# Altium PCB 探测器.PcbDoc (part 4 of 4)
Units mil, origin at the board's own origin, x right, y up, seen from the top; angles counter-clockwise.
Board outline 3560.03 x 3943.03 mil, 2 copper layers (Top Layer, Bottom Layer); 122 components, 44 nets, 450 pads, 26 vias.
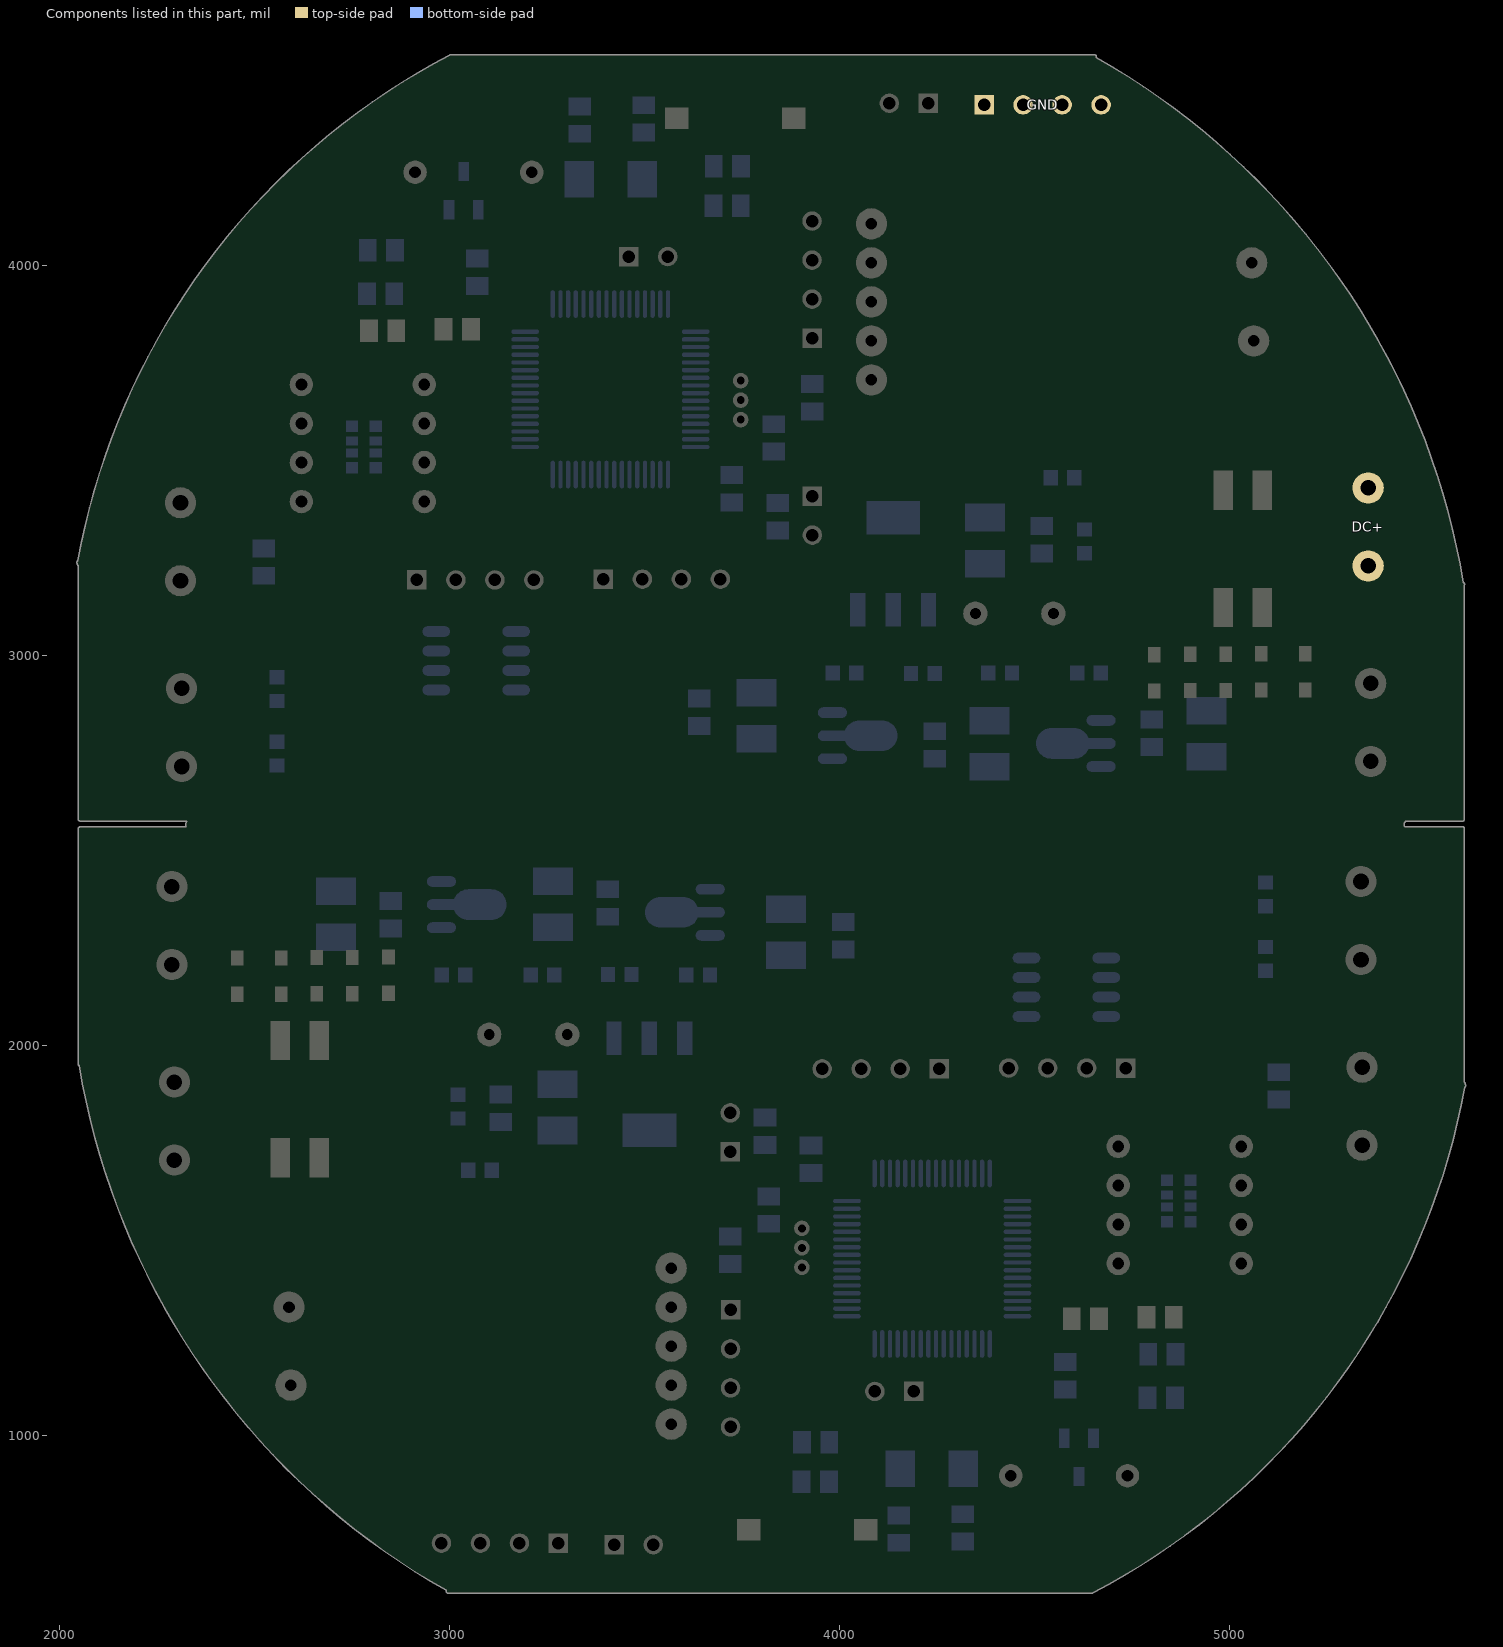
[diagram p4: the components of this part, seen from the top]

## Polygon pours and split planes (outlines as drawn) (continued)
GND on Top Layer "Bottom Overlay-No Net" (solid, pour order 48): 4672.52,4436 4353.52,4436 ccw(c4366.23,4423.29) 4348.26,4423.29 4348.26,4409.68 ccw(c4348.26,4407.12) 4346.45,4408.93 4284.52,4347 cw(c4245.89,4385.63) 4245.89,4331 4142.52,4331 cw(c4142.52,4410.67) 4086.19,4354.33 4061.52,4379 ccw(c4001.16,4318.64) 4001.16,4404 3884.52,4404 3736.05,4404 ccw(c3736.05,4325.47) 3680.52,4381 3665.81,4366.29 ccw(c3736.52,4295.58) 3636.52,4295.58 3636.52,4125 3636.52,4074.42 cw(c3536.52,4074.42) 3607.23,4003.71 3584.52,3981 3494.81,3891.29 cw(c3424.1,3962) 3424.1,3862 3382.52,3862 3298.7,3862 ccw(c3298.7,3769.82) 3233.52,3835 ccw(c3272.15,3796.37) 3217.52,3796.37 3217.52,3614 3217.52,3574.42 ccw(c3317.52,3574.42) 3246.81,3503.71 3288.52,3462 3339.23,3411.29 cw(c3268.52,3340.58) 3368.52,3340.58 3368.52,3203 3376.74,3194.78 cw(c3357.96,3176) 3384.52,3176 ccw(c3384.52,3180.83) 3387.93,3177.41 3419.52,3209 ccw(c3414.69,3213.83) 3421.52,3213.83 3421.52,3220 cw(c3469.8,3220) 3435.66,3254.14 3438.52,3257 cw(c3501.29,3194.23) 3501.29,3283 3930.52,3283 ccw(c3930.52,3287.83) 3933.93,3284.41 3956.52,3307 ccw(c3922.72,3340.8) 3970.52,3340.8 3970.52,3460 ccw(c3941.55,3460) 3962.03,3480.49 3946.52,3496 3881.81,3560.71 cw(c3928.38,3607.28) 3862.52,3607.28 3862.52,3803 3862.52,4027.59 cw(c3865.93,4027.59) 3863.52,4030 3918.16,4084.64 cw(c3933.52,4069.27) 3933.52,4091 cw(c3933.52,3994.43) 4001.8,4062.72 4020.52,4044 4030.09,4034.43 cw(c3997.65,4002) 4043.52,4002 4069.45,4002 ccw(c4069.45,4019.07) 4081.52,4007 cw(c4076.69,4002.17) 4083.52,4002.17 4083.52,3968 4605.75,3968 ccw(c4605.75,4056.77) 4668.52,3994 4682.23,4007.71 ccw(c4611.52,4078.42) 4711.52,4078.42 4711.52,4408 ccw(c4682.55,4408) 4703.03,4428.49 4699.52,4432 ccw(c4692.28,4424.76) 4692.28,4435 4673.52,4435
5V on Top Layer "Bottom Overlay-No Net" (solid, pour order 52): 3905.52,3625 cw(c3907.93,3627.41) 3904.52,3627.41 3904.52,3817 cw(c3906.93,3817) 3905.23,3818.71 3925.52,3839 cw(c3915.86,3829.34) 3929.52,3829.34 3929.52,3814 ccw(c3934.35,3814) 3930.93,3810.59 3952.52,3789 3963.98,3777.54 ccw(c3972.52,3786.07) 3972.52,3774 cw(c3972.52,3766.76) 3977.64,3771.88 3989.52,3760 4011.57,3737.95 ccw(c4023.52,3749.9) 4023.52,3733 cw(c4023.52,3699.2) 4047.42,3723.1 4048.52,3722 ccw(c4072.66,3746.14) 4072.66,3712 4120.52,3712 cw(c4115.69,3707.17) 4122.52,3707.17 4122.52,3141 4122.52,3124.14 cw(c4088.38,3124.14) 4112.52,3100 cw(c4052.16,3160.36) 4052.16,3075 3497.52,3075 3297.94,3075 cw(c3297.94,3175) 3227.23,3104.29 3181.52,3150 3180.81,3150.71 cw(c3251.52,3221.42) 3151.52,3221.42 3151.52,4009 ccw(c3108.06,4009) 3138.79,4039.73 3108.52,4070 2999.81,4178.71 ccw(c2929.1,4108) 2929.1,4208 2912.52,4208 2912.52,4249.59 cw(c2915.93,4249.59) 2913.52,4252 cw(c2920.76,4259.24) 2910.52,4259.24 2910.52,4268 2974.1,4268 cw(c2974.1,4168) 3044.81,4238.71 3057.52,4226 3161.23,4122.29 cw(c3090.52,4051.58) 3190.52,4051.58 3190.52,3980 3190.52,3404 3190.52,3298.42 ccw(c3290.52,3298.42) 3219.81,3227.71 3255.52,3192 3270.23,3177.29 ccw(c3340.94,3248) 3340.94,3148 3396.52,3148 3603.34,3148 ccw(c3603.34,3240.18) 3668.52,3175 3679.38,3185.86 ccw(c3645.24,3220) 3693.52,3220 ccw(c3695.93,3222.41) 3695.93,3219 3970.52,3219 ccw(c3970.52,3257.63) 3997.83,3230.31 4011.52,3244 ccw(c3994.62,3260.9) 4018.52,3260.9 4018.52,3467 ccw(c3979.89,3467) 4007.21,3494.31 3986.52,3515 3927.03,3574.49 cw(c3976.53,3624) 3906.52,3624
NetC1_1 on Top Layer "Bottom Overlay-No Net" (solid, pour order 44): 5074.52,2893 ccw(c5074.52,2929.21) 5100.13,2903.61 5164.52,2968 5188.56,2992.04 ccw(c5175.54,3005.05) 5193.95,3005.05 5193.95,3140.19 ccw(c5103.71,3140.19) 5167.52,3204 ccw(c5114.41,3150.89) 5114.41,3226 5094.52,3226 4952.83,3226 ccw(c4952.83,3198.69) 4933.52,3218 cw(c4986.63,3164.89) 4986.63,3240 5006.52,3240 4591.73,3240 ccw(c4591.73,3188.79) 4555.52,3225 4545.81,3215.29 ccw(c4616.52,3144.58) 4516.52,3144.58 4516.52,3109 4516.52,3065.38 ccw(c4560.9,3065.38) 4529.52,3034 4551.23,3012.29 ccw(c4621.94,3083) 4621.94,2983 4809.52,2983 cw(c4816.76,2983) 4811.64,2988.12 4816.52,2993 ccw(c4804.45,3005.07) 4821.52,3005.07 4821.52,3061 4821.52,3070.58 cw(c4921.52,3070.58) 4850.81,3141.29 4854.52,3145 4886.19,3176.67 cw(c4942.52,3120.33) 4942.52,3200 5109.21,3200 cw(c5109.21,3172.69) 5128.52,3192 cw(c5077.82,3141.3) 5149.52,3141.3 5149.52,3058 5149.52,3022.42 cw(c5049.52,3022.42) 5120.23,2951.71 5114.52,2946 5104.22,2935.7 cw(c5100.9,2939.03) 5100.9,2934.33 cw(c5059.99,2934.33) 5088.92,2905.4 5085.52,2902
DC+ on Top Layer "Bottom Overlay-No Net" (solid, pour order 42): 5353.52,3381 cw(c5329.38,3405.14) 5329.38,3371 5067.52,3371 cw(c5103.73,3407.21) 5052.52,3407.21 5052.52,3521 5052.52,3733.51 cw(c5073.01,3733.51) 5058.52,3748 ccw(c5046.45,3760.07) 5063.52,3760.07 5063.52,3846 5197.99,3846 cw(c5197.99,3767.47) 5253.52,3823 5366.23,3710.29 cw(c5295.52,3639.58) 5395.52,3639.58 5395.52,3427 cw(c5364.14,3427) 5386.33,3404.81 5381.52,3400 cw(c5369.45,3412.07) 5369.45,3395 5368.52,3395
GND on Top Layer "Bottom Overlay-No Net" (solid, pour order 50): 4083.52,3968 3867.96,3968 ccw(c3867.96,3960.3) 3862.52,3965.74 cw(c3913.22,4016.44) 3841.52,4016.44 3841.52,4026 3841.52,4030.58 cw(c3941.52,4030.58) 3870.81,4101.29 3883.52,4114 cw(c3939.05,4058.47) 3939.05,4137 3959.52,4137 4030.69,4137 ccw(c4030.69,4143.83) 4035.52,4139 ccw(c4100.7,4204.18) 4100.7,4112 4105.52,4112 cw(c4105.52,4083.03) 4126.01,4103.51 4182.52,4047 cw(c4172.86,4037.34) 4186.52,4037.34 4186.52,4003 4186.52,3998.41 cw(c4183.11,3998.41) 4185.52,3996

## Keep-outs
Keep-Out Layer:
  lines w10: 2050,3239 cw(c2041.5,3230.5) 2053.52,3230.5 2053.52,2581 5596.84,2581 5596.84,3182.62 ; 2050.97,3234.98 cw(c3851.93,2915.02) 3002.52,4535 4653.52,4535 ; 2055.9,1950.63 ccw(c3930.33,2261.81) 3005.48,602 ; 2996.48,602 4647.48,602 ccw(c3798.07,2221.98) 5599.03,1902.02 ; 4644.52,4535 cw(c3719.67,2875.19) 5594.1,3186.37 ; 5448.91,2557 5596.48,2557 ; 5456.5,2582 5596.84,2582 ; 5600,1898 cw(c5608.5,1906.5) 5596.48,1906.5 5596.48,2556 2053.16,2556 2053.16,1954.38 ; 2053.16,1954.38 cw(c2052.62,1954.38) 2053,1954 ccw(c2052.62,1954.38) 2053.16,1954.38 ; 5596.84,3182.62 cw(c5597.38,3182.62) 5597,3183 ccw(c5597.38,3182.62) 5596.84,3182.62

## Other copper
Top Layer:
  text "智能消防联动系统 / 青岛理工大学 / 岳英豪  刘宇阳 / 2017.05.04" at 2480,2762 h100
  text "智能消防联动系统 / 青岛理工大学 / 岳英豪  刘宇阳 / 2017.05.04" at 5170,2375 h100 r180

## Silkscreen, mask and mechanical layers (free items; w line width, h text height)
Top Overlay:
  text "+" at 5158,3686 h60
  text "+" at 2492,1451 h60 r180
Top Solder:
  text "智能消防联动系统 / 青岛理工大学 / 岳英豪  刘宇阳 / 2017.05.04" at 2480,2762 h100
  text "智能消防联动系统 / 青岛理工大学 / 岳英豪  刘宇阳 / 2017.05.04" at 5170,2375 h100 r180

## Text inside footprints (layer, text, board x,y; h text height)
DPLC-L1: Top Overlay "5V" at 4182,3681 h60
DPLC-L1_1: Top Overlay "5V" at 3468,1456 h60 r180